# Altium PCB MotherBoard.PcbDoc (part 7 of 10)
Units mm, origin at the board's own origin, x right, y up, seen from the top; angles counter-clockwise.
Board outline 200 x 200 mm, 8 copper layers (Top Layer, Ground, Signal Layer 1, Power, Power 2, Signal Layer 2, Ground 2, Bottom Layer), stack 1.494 mm thick; 819 components, 704 nets, 3400 pads, 2339 vias.
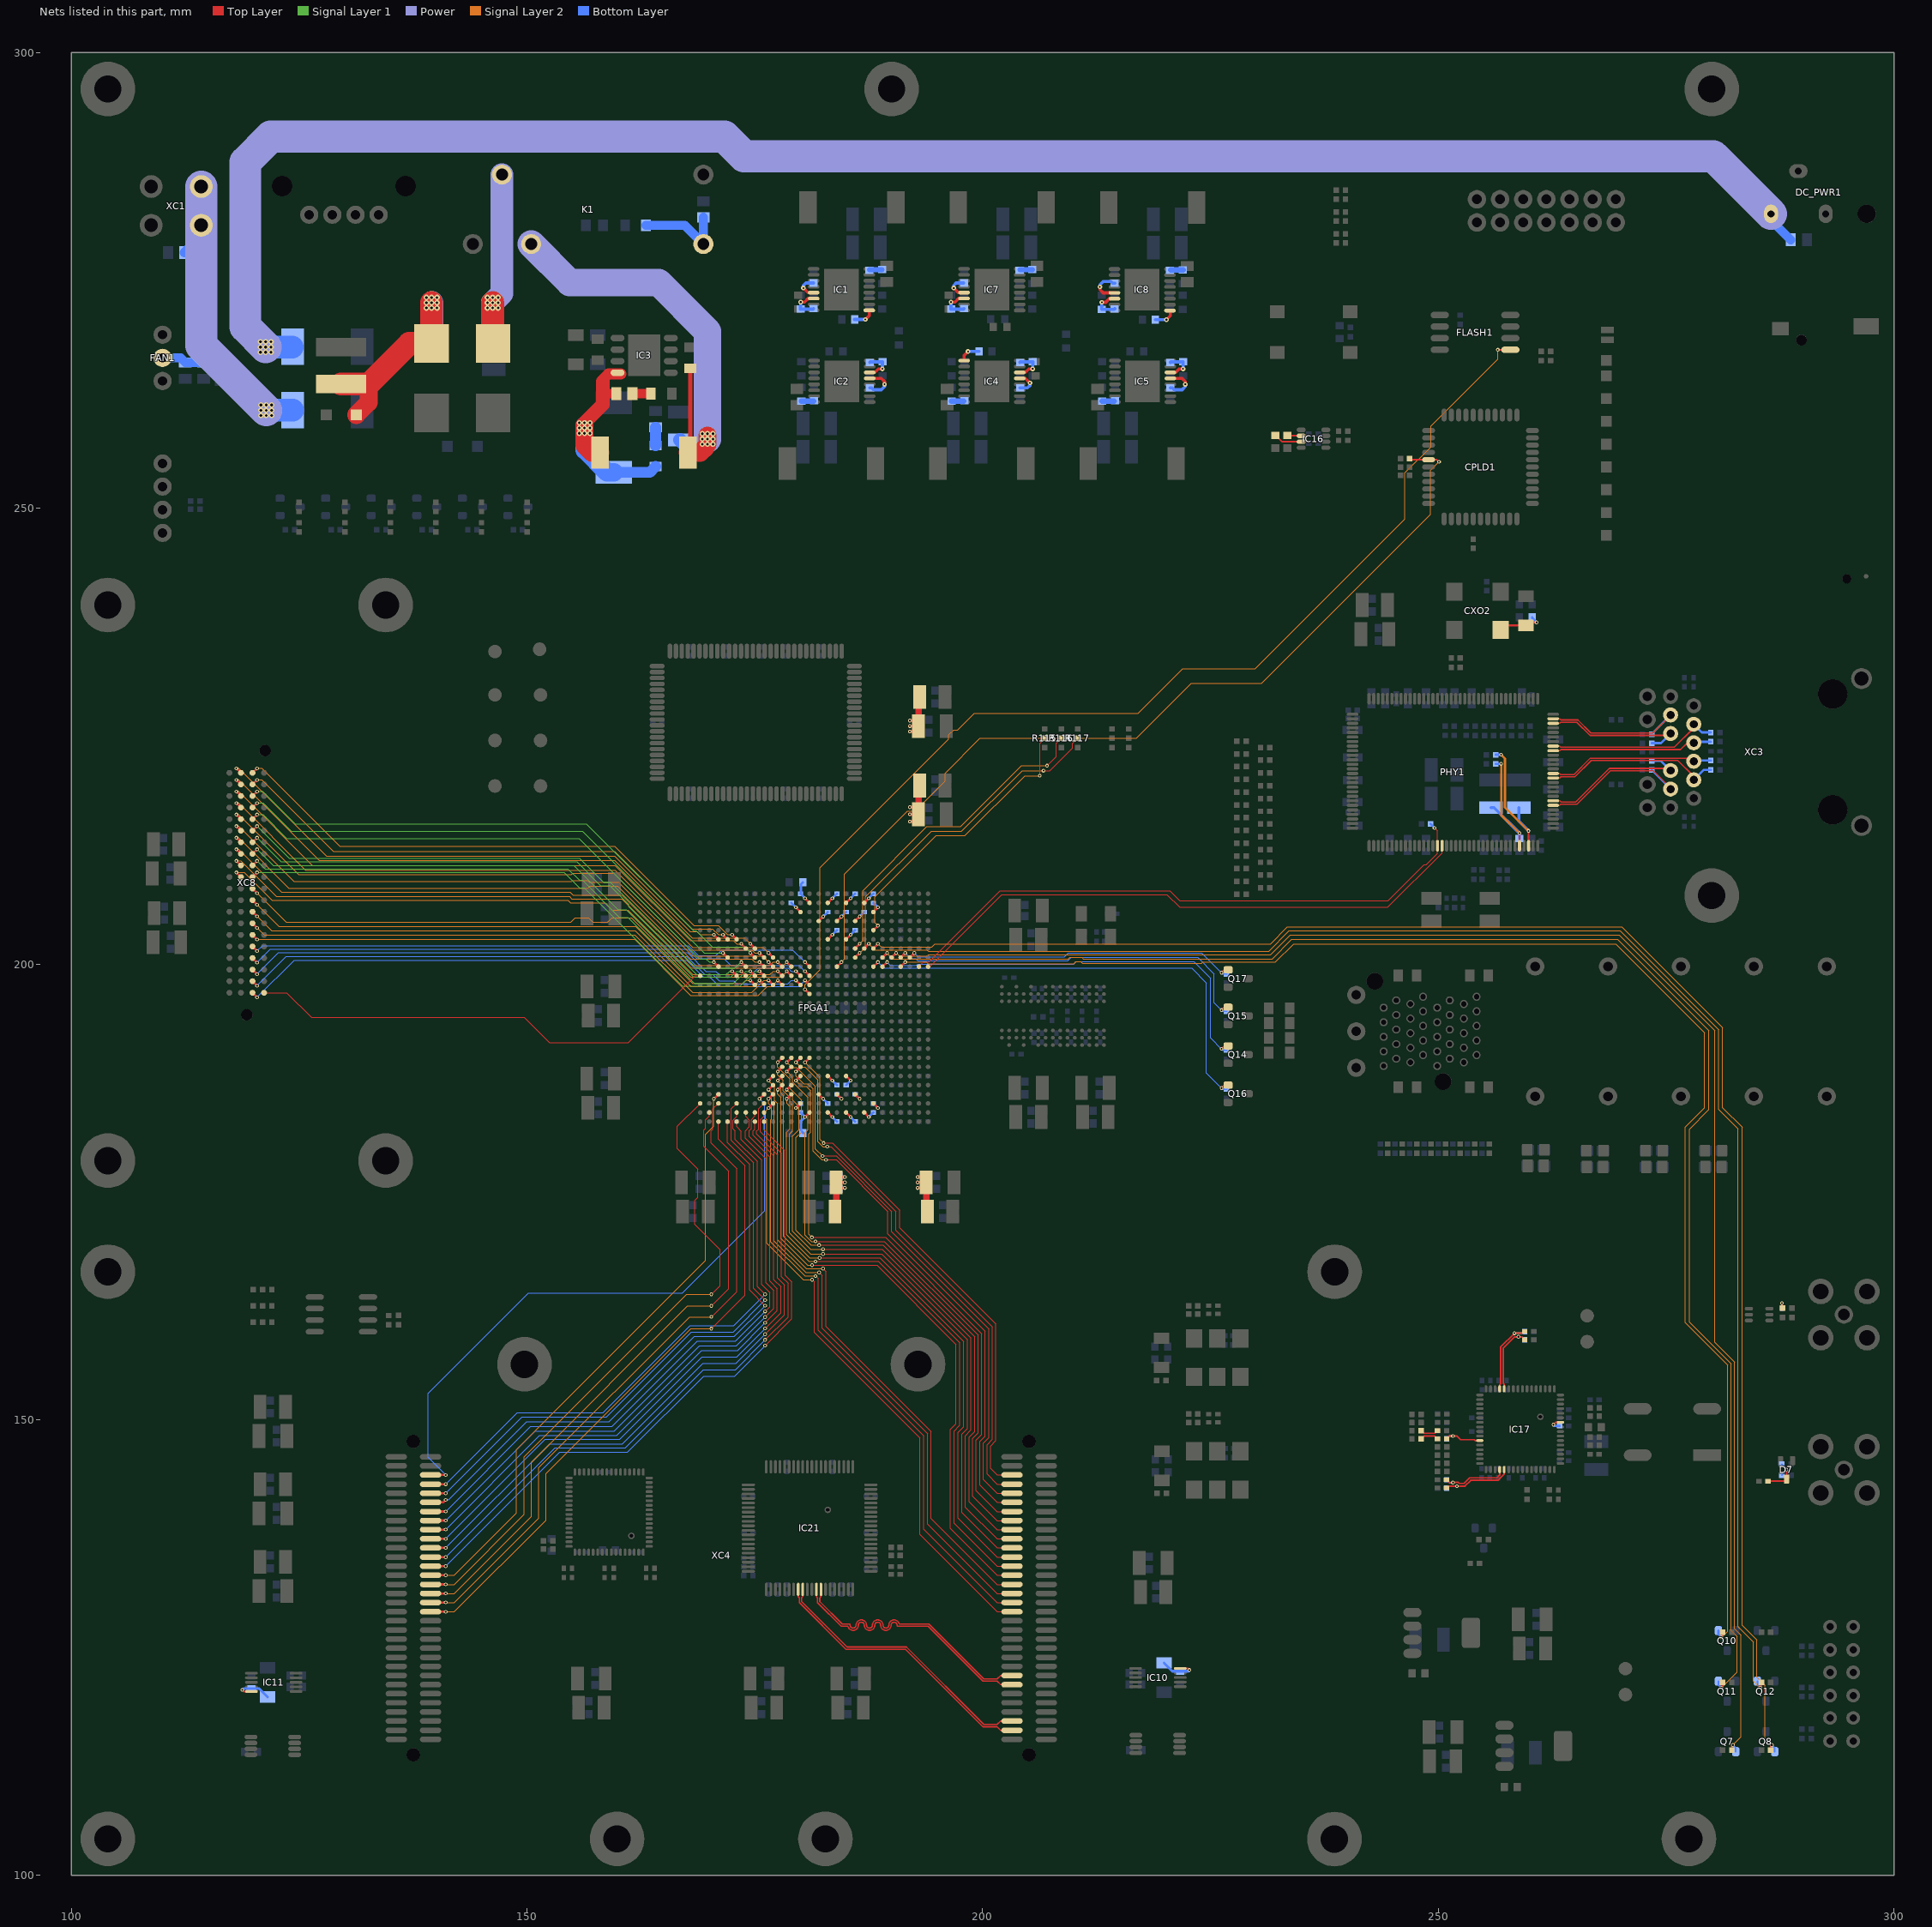
[diagram p13: the nets of this part, all layers, seen from the top]

## Via types
v1: diameter 0.4, hole 0.2, Top Layer to Bottom Layer, tented both sides, 1921 vias
v2: diameter 0.6, hole 0.3, Top Layer to Bottom Layer, tented both sides, 229 vias
v3: diameter 0.7, hole 0.4, Top Layer to Bottom Layer, 128 vias
v4: diameter 0.5, hole 0.2, Top Layer to Bottom Layer, tented both sides, 60 vias
v5: diameter 0.7, hole 0.4, Top Layer to Bottom Layer, tented both sides, 1 vias

## Nets (pads, with @x,y where several pads share a name; then routed paths per layer and width w, separated by ;. In a path a pad name is that pad's centre, name@x,y a point inside that pad or via, vN(x,y) a via of type N, cw(c..) or ccw(c..) an arc to the next point about the centre after c; other vN are vias at no path point) (continued)
GPIO_19: FPGA1.U26 XC8.20 | length 53.2
  Top Layer w0.1: XC8.20@121.145,196.835 123.615,196.835 126.325,194.125 149.7,194.125 152.45,191.375 161.125,191.375 168.45,198.7 FPGA1.U26@169,198.7
GPIO_20: FPGA1.AA22 XC8.21 | length 61.1
  Top Layer w0.25: XC8.21@119.875,220.965 v1(120.375,221.465) ; v1(172.5,203.2) FPGA1.AA22@173,202.7
  Signal Layer 2 w0.1: v1(120.375,221.465) 120.87,221.465 129.435,212.9 159.6,212.9 168.3,204.2 171.005,204.2 172.005,203.2 v1(172.5,203.2)
GPIO_21: FPGA1.AA23 XC8.22 | length 59.6
  Top Layer w0.25: XC8.22@119.875,219.695 v1(120.375,220.195) ; v1(171.5,203.2) FPGA1.AA23@172,202.7
  Signal Layer 2 w0.1: v1(120.375,220.195) 120.88,220.195 128.725,212.35 159.625,212.35 168.125,203.85 170.345,203.85 170.995,203.2 v1(171.5,203.2)
GPIO_22: FPGA1.W20 XC8.23 | length 62.9
  Top Layer w0.25: XC8.23@119.875,218.425 v1(120.375,218.925) ; v1(174.5,201.2) FPGA1.W20@175,200.7
  Signal Layer 1 w0.1: v1(120.375,218.925) 121,218.925 124.55,215.375 156.525,215.375 168.275,203.625 168.57,203.625 170.345,201.85 173.85,201.85 v1(174.5,201.2)
GPIO_23: FPGA1.W23 XC8.24 | length 59.4
  Top Layer w0.25: XC8.24@119.875,217.155 v1(120.375,217.655) ; v1(171.5,201.2) FPGA1.W23@172,200.7
  Signal Layer 1 w0.1: v1(120.375,217.655) 121.045,217.655 124.125,214.575 156.064,214.575 169.439,201.2 v1(171.5,201.2)
GPIO_24: FPGA1.V24 XC8.25 | length 58.2
  Top Layer w0.25: XC8.25@119.875,215.885 v1(120.375,216.385) ; v1(170.5,200.2) FPGA1.V24@171,199.7
  Signal Layer 1 w0.1: v1(120.375,216.385) 121.015,216.385 123.625,213.775 155.7,213.775 168.925,200.55 169.645,200.55 169.995,200.2 v1(170.5,200.2)
GPIO_25: FPGA1.V21 XC8.26 | length 61.3
  Top Layer w0.25: XC8.26@119.875,214.615 v1(120.375,215.115) ; v1(173.5,200.2) FPGA1.V21@174,199.7
  Signal Layer 1 w0.1: v1(120.375,215.115) 123.89,211.6 155.75,211.6 158.4,208.95 159.15,208.95 168.55,199.55 172.85,199.55 v1(173.5,200.2)
GPIO_26: FPGA1.U22 XC8.27 | length 60
  Top Layer w0.25: XC8.27@119.875,213.345 v1(120.375,213.845) ; v1(172.5,199.2) FPGA1.U22@173,198.7
  Signal Layer 1 w0.1: v1(120.375,213.845) 123.02,211.2 155.475,211.2 158.075,208.6 159.075,208.6 161.15,206.525 161.15,206.275 168.575,198.85 171.85,198.85 172.2,199.2 v1(172.5,199.2)
GPIO_27: FPGA1.U21 XC8.28 | length 60.6
  Top Layer w0.25: XC8.28@119.875,212.075 v1(120.375,212.575) ; v1(173.5,199.2) FPGA1.U21@174,198.7
  Signal Layer 1 w0.1: v1(120.375,212.575) 122.15,210.8 155.147,210.8 159.997,205.95 160.875,205.95 168.275,198.55 172.345,198.55 172.995,199.2 v1(173.5,199.2)
GPIO_28: FPGA1.U20 XC8.29 | length 61.7
  Top Layer w0.25: XC8.29@119.875,210.805 v1(120.375,211.305) ; v1(174.5,199.2) FPGA1.U20@175,198.7
  Signal Layer 1 w0.1: v1(120.375,211.305) 121.255,210.425 154.5,210.425 155.75,209.175 156.075,209.175 160.125,205.125 161.08,205.125 168.355,197.85 168.925,197.85 172.645,197.85 173.995,199.2 v1(174.5,199.2)
GPIO_29: FPGA1.U19 XC8.30 | length 62.4
  Top Layer w0.25: XC8.30@119.875,209.535 v1(120.375,210.035) ; v1(175.5,199.2) FPGA1.U19@176,198.7
  Signal Layer 1 w0.1: v1(120.375,210.035) 154.065,210.035 155.75,208.35 156.25,208.35 167.025,197.575 173.38,197.575 175.005,199.2 v1(175.5,199.2)
GPIO_30: FPGA1.U16 XC8.31 | length 64.4
  Top Layer w0.25: XC8.31@119.875,208.265 v1(120.375,207.765) ; v1(178.5,199.2) FPGA1.U16@179,198.7
  Signal Layer 2 w0.1: v1(120.375,207.765) 123.565,204.575 154.8,204.575 155.3,205.075 156.75,205.075 157.225,204.6 158.85,204.6 159.325,205.075 161.425,205.075 167.95,198.55 177.85,198.55 v1(178.5,199.2)
GPIO_31: FPGA1.T20 XC8.32 | length 59.3
  Top Layer w0.25: XC8.32@119.875,206.995 v1(120.375,206.495) ; v1(174.5,198.2) FPGA1.T20@175,197.7
  Signal Layer 2 w0.1: v1(120.375,206.495) 122.77,204.1 161.9,204.1 168.15,197.85 173.675,197.85 174.025,198.2 v1(174.5,198.2)
GPIO_32: FPGA1.T19 XC8.33 | length 60
  Top Layer w0.25: XC8.33@119.875,205.725 v1(120.375,205.225) ; v1(175.5,198.2) FPGA1.T19@176,197.7
  Signal Layer 2 w0.1: v1(120.375,205.225) 120.375,205.238 121.963,203.65 161.875,203.65 167.975,197.55 174.85,197.55 v1(175.5,198.2)
GPIO_33: FPGA1.T18 XC8.34 | length 61
  Top Layer w0.25: XC8.34@119.875,204.455 v1(120.375,203.955) ; v1(176.5,198.2) FPGA1.T18@177,197.7
  Signal Layer 2 w0.1: v1(120.375,203.955) 121.155,203.175 161.825,203.175 168.15,196.85 174.645,196.85 175.995,198.2 v1(176.5,198.2)
GPIO_34: FPGA1.T17 XC8.35 | length 61.8
  Top Layer w0.25: XC8.35@119.875,203.185 v1(120.375,202.685) ; v1(177.5,198.2) FPGA1.T17@178,197.7
  Signal Layer 2 w0.1: v1(120.375,202.685) 161.815,202.685 167.95,196.55 175.355,196.55 176.355,197.55 176.85,197.55 v1(177.5,198.2)
GPIO_35: FPGA1.V14 XC8.36 | length 63
  Top Layer w0.25: XC8.36@119.875,201.915 v1(120.375,201.415) ; v1(180.5,200.2) FPGA1.V14@181,199.7
  Bottom Layer w0.1: v1(120.375,201.415) 120.96,202 167.719,202 168.794,200.925 170.73,200.925 171.355,201.55 179.15,201.55 v1(180.5,200.2)
GPIO_36: FPGA1.U14 XC8.37 | length 63.1
  Top Layer w0.25: XC8.37@119.875,200.645 v1(120.375,200.145) ; v1(180.5,199.2) FPGA1.U14@181,198.7
  Bottom Layer w0.1: v1(120.375,200.145) 121.83,201.6 167.66,201.6 168.66,200.6 171.6,200.6 172.35,199.85 179.85,199.85 v1(180.5,199.2)
GPIO_37: FPGA1.U15 XC8.38 | length 62.9
  Top Layer w0.25: XC8.38@119.875,199.375 v1(120.375,198.875) ; v1(179.5,199.2) FPGA1.U15@180,198.7
  Bottom Layer w0.1: v1(120.375,198.875) 122.725,201.225 167.594,201.225 169.619,199.2 170.725,199.2 171.075,198.85 174.65,198.85 175.35,199.55 178.645,199.55 178.995,199.2 v1(179.5,199.2)
GPIO_38: FPGA1.T15 XC8.39 | length 63.3
  Top Layer w0.25: XC8.39@119.875,198.105 v1(120.375,197.605) ; v1(179.5,198.2) FPGA1.T15@180,197.7
  Bottom Layer w0.1: v1(120.375,197.605) 123.57,200.8 167.524,200.8 169.474,198.85 170.4,198.85 171.1,198.15 172.675,198.15 173,197.825 178.625,197.825 179,198.2 v1(179.5,198.2)
GPIO_39: FPGA1.T14 XC8.40 | length 64.7
  Top Layer w0.25: XC8.40@119.875,196.835 v1(120.375,196.335) ; v1(180.5,198.2) FPGA1.T14@181,197.7
  Bottom Layer w0.1: v1(120.375,196.335) 124.44,200.4 167.5,200.4 169.35,198.55 170.075,198.55 171.075,197.55 179.85,197.55 v1(180.5,198.2)
GPIO_40: FPGA1.AA24 XC8.41 | length 61.4
  Top Layer w0.25: v1(118.105,221.465) XC8.41@118.605,220.965 ; v1(170.5,203.2) FPGA1.AA24@171,202.7
  Signal Layer 2 w0.1: v1(118.105,221.465) 118.335,221.465 127.975,211.825 159.625,211.825 167.9,203.55 168.645,203.55 168.995,203.2 v1(170.5,203.2)
GPIO_41: FPGA1.Y20 XC8.42 | length 65.3
  Top Layer w0.25: v1(118.105,220.195) XC8.42@118.605,219.695 ; v1(174.5,202.2) FPGA1.Y20@175,201.7
  Signal Layer 2 w0.1: v1(118.105,220.195) 118.33,220.195 127.175,211.35 159.625,211.35 168.125,202.85 173.85,202.85 v1(174.5,202.2)
GPIO_42: FPGA1.Y21 XC8.43 | length 63.7
  Top Layer w0.25: v1(118.105,218.925) XC8.43@118.605,218.425 ; v1(173.5,202.2) FPGA1.Y21@174,201.7
  Signal Layer 2 w0.1: v1(118.105,218.925) 118.33,218.925 126.455,210.8 159.675,210.8 167.925,202.55 172.645,202.55 172.995,202.2 v1(173.5,202.2)
GPIO_43: FPGA1.W18 XC8.44 | length 66.6
  Top Layer w0.25: v1(118.105,217.655) XC8.44@118.605,217.155 ; v1(176.5,201.2) FPGA1.W18@177,200.7
  Signal Layer 2 w0.1: v1(118.105,217.655) 118.33,217.655 125.685,210.3 159.65,210.3 168.15,201.8 175.9,201.8 v1(176.5,201.2)
GPIO_44: FPGA1.W19 XC8.45 | length 65.2
  Top Layer w0.25: v1(118.105,216.385) XC8.45@118.605,215.885 ; v1(175.5,201.2) FPGA1.W19@176,200.7
  Signal Layer 2 w0.1: v1(118.105,216.385) 118.33,216.385 124.915,209.8 154.875,209.8 155.025,209.95 159.525,209.95 167.925,201.55 174.645,201.55 174.995,201.2 v1(175.5,201.2)
GPIO_45: FPGA1.V18 XC8.46 | length 66.1
  Top Layer w0.25: v1(118.105,215.115) XC8.46@118.605,214.615 ; v1(176.5,200.2) FPGA1.V18@177,199.7
  Signal Layer 2 w0.1: v1(118.105,215.115) 118.33,215.115 124.395,209.05 154.925,209.05 155.025,209.15 156.675,209.15 156.85,208.975 160.025,208.975 168.15,200.85 175.85,200.85 v1(176.5,200.2)
GPIO_46: FPGA1.V19 XC8.47 | length 64.6
  Top Layer w0.25: v1(118.105,213.845) XC8.47@118.605,213.345 ; v1(175.5,200.2) FPGA1.V19@176,199.7
  Signal Layer 2 w0.1: v1(118.105,213.845) 118.33,213.845 123.85,208.325 156.675,208.325 156.9,208.55 159.95,208.55 167.95,200.55 174.645,200.55 174.995,200.2 v1(175.5,200.2)
GPIO_47: FPGA1.V17 XC8.48 | length 66.2
  Top Layer w0.25: v1(118.105,212.575) XC8.48@118.605,212.075 ; v1(177.5,200.2) FPGA1.V17@178,199.7
  Signal Layer 2 w0.1: v1(118.105,212.575) 118.33,212.575 123.03,207.875 154.725,207.875 155.05,207.55 160.425,207.55 168.15,199.825 176.62,199.825 176.995,200.2 v1(177.5,200.2)
GPIO_48: FPGA1.V16 XC8.49 | length 66.9
  Top Layer w0.25: v1(118.105,211.305) XC8.49@118.605,210.805 ; v1(178.5,200.2) FPGA1.V16@179,199.7
  Signal Layer 2 w0.1: v1(118.105,211.305) 118.595,211.305 122.5,207.4 154.65,207.4 154.9,207.15 160.42,207.15 168.02,199.55 177.85,199.55 v1(178.5,200.2)
GPIO_49: FPGA1.U17 XC8.50 | length 65.6
  Top Layer w0.25: v1(118.105,210.035) XC8.50@118.605,209.535 ; v1(177.5,199.2) FPGA1.U17@178,198.7
  Signal Layer 2 w0.1: v1(118.105,210.035) 118.965,210.035 122.025,206.975 154.5,206.975 154.75,206.725 158.55,206.725 159.35,205.925 161.075,205.925 168.15,198.85 176.645,198.85 176.995,199.2 v1(177.5,199.2)
INIT_B: CPLD1.38 FPGA1.V11 R125.1 | length 101.2
  Top Layer w0.18: R125.1@246.848,255.425 246.948,255.325 CPLD1.38@248.925,255.325 249.85,255.325 v1(250.075,255.1)
  Top Layer w0.25: FPGA1.V11@184,199.7 v1(184.5,200.2)
  Signal Layer 2 w0.1: v1(184.5,200.2) 184.85,200.55 184.85,209.875 191.75,216.775 192.6,216.775 195.875,220.05 195.875,220.925 199.7,224.75 216.85,224.75 222.9,230.8 230.599,230.8 249.15,249.351 249.15,254.175 v1(250.075,255.1)
IO_RX_00: FPGA1.A24 XC4.100 | length 72.1
  Top Layer w0.1: v1(170.225,159.975) 173.925,163.675 173.925,177.85 171,180.775 FPGA1.A24@171,182.7
  Top Layer w0.25: XC4.100@139.408,128.917 v1(141.074,128.917)
  Signal Layer 2 w0.1: v1(141.074,128.917) 142.017,128.917 152.075,138.975 152.075,144.075 167.975,159.975 v1(170.225,159.975)
IO_RX_01: FPGA1.C24 XC4.98 | length 73.1
  Top Layer w0.1: v1(170.225,161.275) 170.25,161.275 173,164.025 173,177.55 170.2,180.35 170.2,181.675 170.4,181.875 170.4,184.1 FPGA1.C24@171,184.7
  Top Layer w0.25: XC4.98@139.408,129.933 v1(141.074,129.933)
  Signal Layer 2 w0.1: v1(141.074,129.933) 142.008,129.933 151.275,139.2 151.275,144.725 167.825,161.275 v1(170.225,161.275)
IO_RX_02: FPGA1.B25 XC4.96 | length 70.8
  Top Layer w0.1: FPGA1.B25@170,183.7 170,183.3 169.6,182.9 169.6,181.975 169.375,181.75 169.375,180 172.125,177.25 172.125,164.375 v1(170.225,162.475)
  Top Layer w0.25: XC4.96@139.408,130.924 v1(141.074,130.924)
  Signal Layer 2 w0.1: v1(141.074,130.924) 142.024,130.924 150.475,139.375 150.475,145.325 167.625,162.475 v1(170.225,162.475)
IO_RX_03: FPGA1.C26 XC4.94 | length 72.3
  Top Layer w0.1: FPGA1.C26@169,184.7 166.5,182.2 166.5,179.725 168.725,177.5 168.725,174.375 168.425,174.075 168.425,171.4 171.175,168.65 171.175,164.7 v1(170.225,163.75)
  Top Layer w0.25: XC4.94@139.408,131.915 v1(141.074,131.915)
  Signal Layer 2 w0.1: v1(141.074,131.915) 141.99,131.915 149.675,139.6 149.675,145.925 167.5,163.75 v1(170.225,163.75)
IO_RX_04: FPGA1.D24 XC4.92 | length 67.4
  Top Layer w0.25: XC4.92@139.408,132.931 v1(141.074,132.931) ; v1(170.5,185.2) FPGA1.D24@171,185.7
  Signal Layer 2 w0.1: v1(141.074,132.931) 142.031,132.931 148.85,139.75 148.85,146.7 169.6,167.45 169.6,181.3 170.5,182.2 v1(170.5,185.2)
IO_RX_05: FPGA1.A19 XC4.90 | length 73.8
  Top Layer w0.1: FPGA1.A19@176,182.7 176,181.8 178.25,179.55 178.25,170.125 178.35,170.025 178.35,165.825 179.05,165.125 179.05,161.05 v1(176.125,158.125)
  Top Layer w0.25: XC4.90@139.408,133.921 v1(141.074,133.921)
  Bottom Layer w0.1: v1(141.074,133.921) 153.578,146.425 161.025,146.425 169.375,154.775 172.775,154.775 v1(176.125,158.125)
IO_RX_06: FPGA1.B19 XC4.88 | length 74
  Top Layer w0.1: FPGA1.B19@176,183.7 176,183.275 175.6,182.875 175.6,181.575 177.925,179.25 177.925,165.675 178.65,164.95 178.65,161.275 v1(176.125,158.75)
  Top Layer w0.25: XC4.88@139.408,134.912 v1(141.074,134.912)
  Bottom Layer w0.1: v1(141.074,134.912) 153.062,146.9 160.775,146.9 169.354,155.479 172.854,155.479 v1(176.125,158.75)
IO_RX_07: FPGA1.C19 XC4.86 | length 74.2
  Top Layer w0.1: FPGA1.C19@176,184.7 175.4,184.1 175.4,181.875 175.2,181.675 175.2,181.35 177.5,179.05 177.5,165.525 178.25,164.775 178.25,161.5 v1(176.125,159.375)
  Top Layer w0.25: XC4.86@139.408,135.928 v1(141.074,135.928)
  Bottom Layer w0.1: v1(141.074,135.928) 152.496,147.35 160.45,147.35 169.286,156.186 172.936,156.186 v1(176.125,159.375)
IO_RX_08: FPGA1.A20 XC4.84 | length 71
  Top Layer w0.1: FPGA1.A20@175,182.7 175,181.875 174.8,181.675 174.8,181.2 177.075,178.925 177.075,165.35 177.85,164.575 177.85,161.725 v1(176.125,160)
  Top Layer w0.25: XC4.84@139.408,136.918 v1(141.074,136.918)
  Bottom Layer w0.1: v1(141.074,136.918) 151.98,147.825 160.15,147.825 169.214,156.889 173.014,156.889 v1(176.125,160)
IO_RX_09: FPGA1.B20 XC4.82 | length 71.3
  Top Layer w0.1: FPGA1.B20@175,183.7 175,183.3 174.6,182.9 174.6,181.925 174.375,181.7 174.375,181.05 176.625,178.8 176.625,165.2 177.45,164.375 177.45,161.95 v1(176.125,160.625)
  Top Layer w0.25: XC4.82@139.408,137.934 v1(141.074,137.934)
  Bottom Layer w0.1: v1(141.074,137.934) 151.389,148.25 159.825,148.25 169.175,157.6 173.1,157.6 v1(176.125,160.625)
IO_RX_10: FPGA1.B21 XC4.80 | length 70.4
  Top Layer w0.1: FPGA1.B21@174,183.7 174,183.266 174.4,182.866 174.4,182.125 173.95,181.675 173.95,180.875 176.2,178.625 176.2,165 177.05,164.15 177.05,162.175 v1(176.125,161.25)
  Top Layer w0.25: XC4.80@139.408,138.925 v1(141.074,138.925)
  Bottom Layer w0.1: v1(141.074,138.925) 150.899,148.75 159.575,148.75 168.925,158.1 172.975,158.1 v1(176.125,161.25)
IO_RX_11: FPGA1.A22 XC4.78 | length 68.4
  Top Layer w0.1: FPGA1.A22@173,182.7 173,182.15 173.5,181.65 173.5,180.725 175.75,178.475 175.75,164.85 176.65,163.95 176.65,162.4 v1(176.125,161.875)
  Top Layer w0.25: XC4.78@139.408,139.916 v1(141.074,139.916)
  Bottom Layer w0.1: v1(141.074,139.916) 150.408,149.25 159.325,149.25 168.7,158.625 172.875,158.625 v1(176.125,161.875)
IO_RX_12: FPGA1.A23 XC4.76 | length 67.6
  Top Layer w0.1: FPGA1.A23@172,182.7 172,180.425 174.425,178 174.425,164.2 v1(176.125,162.5)
  Top Layer w0.25: XC4.76@139.408,140.932 140.807,140.932 v1(141.075,141.2)
  Bottom Layer w0.1: v1(141.075,141.2) 141.4,141.2 149.975,149.775 159,149.775 168.35,159.125 172.75,159.125 v1(176.125,162.5)
IO_RX_13: FPGA1.C22 XC4.74 | length 68.9
  Top Layer w0.1: FPGA1.C22@173,184.7 172.4,184.1 172.4,180.625 174.85,178.175 174.85,164.4 v1(176.125,163.125)
  Top Layer w0.25: XC4.74@139.408,141.922 v1(141.074,141.922)
  Bottom Layer w0.1: v1(141.074,141.922) 149.452,150.3 158.7,150.3 168.025,159.625 172.625,159.625 v1(176.125,163.125)
IO_RX_14: FPGA1.B22 XC4.72 | length 66.9
  Top Layer w0.1: FPGA1.B22@173,183.7 173,183.266 172.6,182.866 172.6,181.925 172.85,181.675 172.85,180.75 175.275,178.325 175.275,164.6 v1(176.125,163.75)
  Top Layer w0.25: XC4.72@139.408,142.913 v1(141.074,142.913)
  Bottom Layer w0.1: v1(141.074,142.913) 148.936,150.775 158.35,150.775 167.9,160.325 172.7,160.325 v1(176.125,163.75)
IO_RX_15: FPGA1.D19 XC4.70 | length 69.9
  Top Layer w0.25: XC4.70@139.408,143.929 v1(141.074,143.929) ; v1(175.5,185.2) FPGA1.D19@176,185.7
  Bottom Layer w0.1: v1(141.074,143.929) 139.15,145.853 139.15,152.875 150.15,163.875 167.025,163.875 176.075,172.925 176.075,184.625 v1(175.5,185.2)
IO_TX_00: FPGA1.C18 XC4.35 | length 68.9
  Top Layer w0.1: v1(181.275,165.35) 181.525,165.1 181.525,159.575 193.1,148 193.1,137.378 201.56,128.917 XC4.35@203.212,128.917
  Top Layer w0.25: v1(176.5,184.2) FPGA1.C18@177,184.7
  Signal Layer 2 w0.1: v1(176.5,184.2) 176.15,183.85 176.15,183.055 176.325,182.88 176.325,169.35 180.325,165.35 v1(181.275,165.35)
IO_TX_01: FPGA1.D18 XC4.33 | length 68.8
  Top Layer w0.1: v1(181.65,165.75) 181.7,165.75 181.975,165.475 181.975,159.8 193.55,148.225 193.55,137.944 201.56,129.933 XC4.33@203.212,129.933
  Top Layer w0.25: v1(176.5,185.2) FPGA1.D18@177,185.7
  Signal Layer 2 w0.1: v1(176.5,185.2) 176.5,184.695 176.85,184.345 176.85,183 176.725,182.875 176.725,169.5 180.475,165.75 v1(181.65,165.75)
IO_TX_02: FPGA1.E18 XC4.31 | length 68.9
  Top Layer w0.1: v1(182.05,166.15) 182.4,165.8 182.4,160.025 193.95,148.475 193.95,138.534 201.56,130.924 XC4.31@203.212,130.924
  Top Layer w0.25: v1(176.5,186.2) FPGA1.E18@177,186.7
  Signal Layer 2 w0.1: v1(176.5,186.2) 176.85,185.85 176.85,184.825 177.125,184.55 177.125,169.6 180.575,166.15 v1(182.05,166.15)
IO_TX_03: FPGA1.F18 XC4.29 | length 69.1
  Top Layer w0.1: v1(182.475,166.575) 182.8,166.25 182.8,160.225 194.35,148.675 194.35,139.125 201.56,131.915 XC4.29@203.212,131.915
  Top Layer w0.25: v1(176.5,187.2) FPGA1.F18@177,187.7
  Signal Layer 2 w0.1: v1(176.5,187.2) 177.15,186.55 177.15,185.025 177.5,184.675 177.5,169.725 180.65,166.575 v1(182.475,166.575)
IO_TX_04: FPGA1.E17 XC4.27 | length 70.6
  Top Layer w0.1: v1(181.275,166.95) 188.38,166.95 197.075,158.255 197.075,149.55 196.45,148.925 196.45,138.041 201.56,132.931 XC4.27@203.212,132.931
  Top Layer w0.25: v1(177.5,186.2) FPGA1.E17@178,186.7
  Signal Layer 2 w0.1: v1(177.5,186.2) 177.5,185.717 177.85,185.367 177.85,169.875 180.775,166.95 v1(181.275,166.95)
IO_TX_05: FPGA1.F17 XC4.25 | length 70.6
  Top Layer w0.1: v1(181.65,167.35) 188.546,167.35 197.475,158.421 197.475,149.384 196.85,148.759 196.85,138.632 201.56,133.921 XC4.25@203.212,133.921
  Top Layer w0.25: v1(177.5,187.2) FPGA1.F17@178,187.7
  Signal Layer 2 w0.1: v1(177.5,187.2) 177.85,186.85 177.85,185.825 178.15,185.525 178.15,170.1 180.9,167.35 v1(181.65,167.35)
IO_TX_06: FPGA1.D16 XC4.23 | length 67.6
  Top Layer w0.1: v1(182.1,167.75) 188.747,167.75 197.9,158.597 197.9,149.208 197.275,148.583 197.275,139.197 201.56,134.912 XC4.23@203.212,134.912
  Top Layer w0.25: v1(178.5,185.2) FPGA1.D16@179,185.7
  Signal Layer 2 w0.1: v1(178.5,185.2) 178.5,184.695 178.85,184.345 178.85,181.9 178.475,181.525 178.475,170.3 181.025,167.75 v1(182.1,167.75)
IO_TX_07: FPGA1.G17 XC4.21 | length 70
  Top Layer w0.1: v1(182.475,168.175) 188.923,168.175 198.325,158.773 198.325,149.032 197.7,148.407 197.7,139.788 201.56,135.928 XC4.21@203.212,135.928
  Top Layer w0.25: v1(177.5,188.2) FPGA1.G17@178,188.7
  Signal Layer 2 w0.1: v1(177.5,188.2) 177.5,187.825 178.095,187.23 178.095,186.1 178.85,185.345 178.85,184.8 179.125,184.525 179.125,181.675 178.8,181.35 178.8,170.475 181.1,168.175 v1(182.475,168.175)
IO_TX_08: FPGA1.E16 XC4.19 | length 66.9
  Top Layer w0.1: v1(182.475,168.7) 188.963,168.7 198.725,158.938 198.725,148.867 198.1,148.242 198.1,140.379 201.56,136.918 XC4.19@203.212,136.918
  Top Layer w0.25: v1(178.5,186.2) FPGA1.E16@179,186.7
  Signal Layer 2 w0.1: v1(178.5,186.2) 179.15,185.55 179.15,185.055 179.15,185.045 179.85,184.345 179.85,181.825 179.15,181.125 179.15,170.65 181.1,168.7 v1(182.475,168.7)
IO_TX_09: FPGA1.H17 XC4.17 | length 69.3